# Altium PCB NUCLEO_144.PcbDoc (part 1 of 4) (continued)
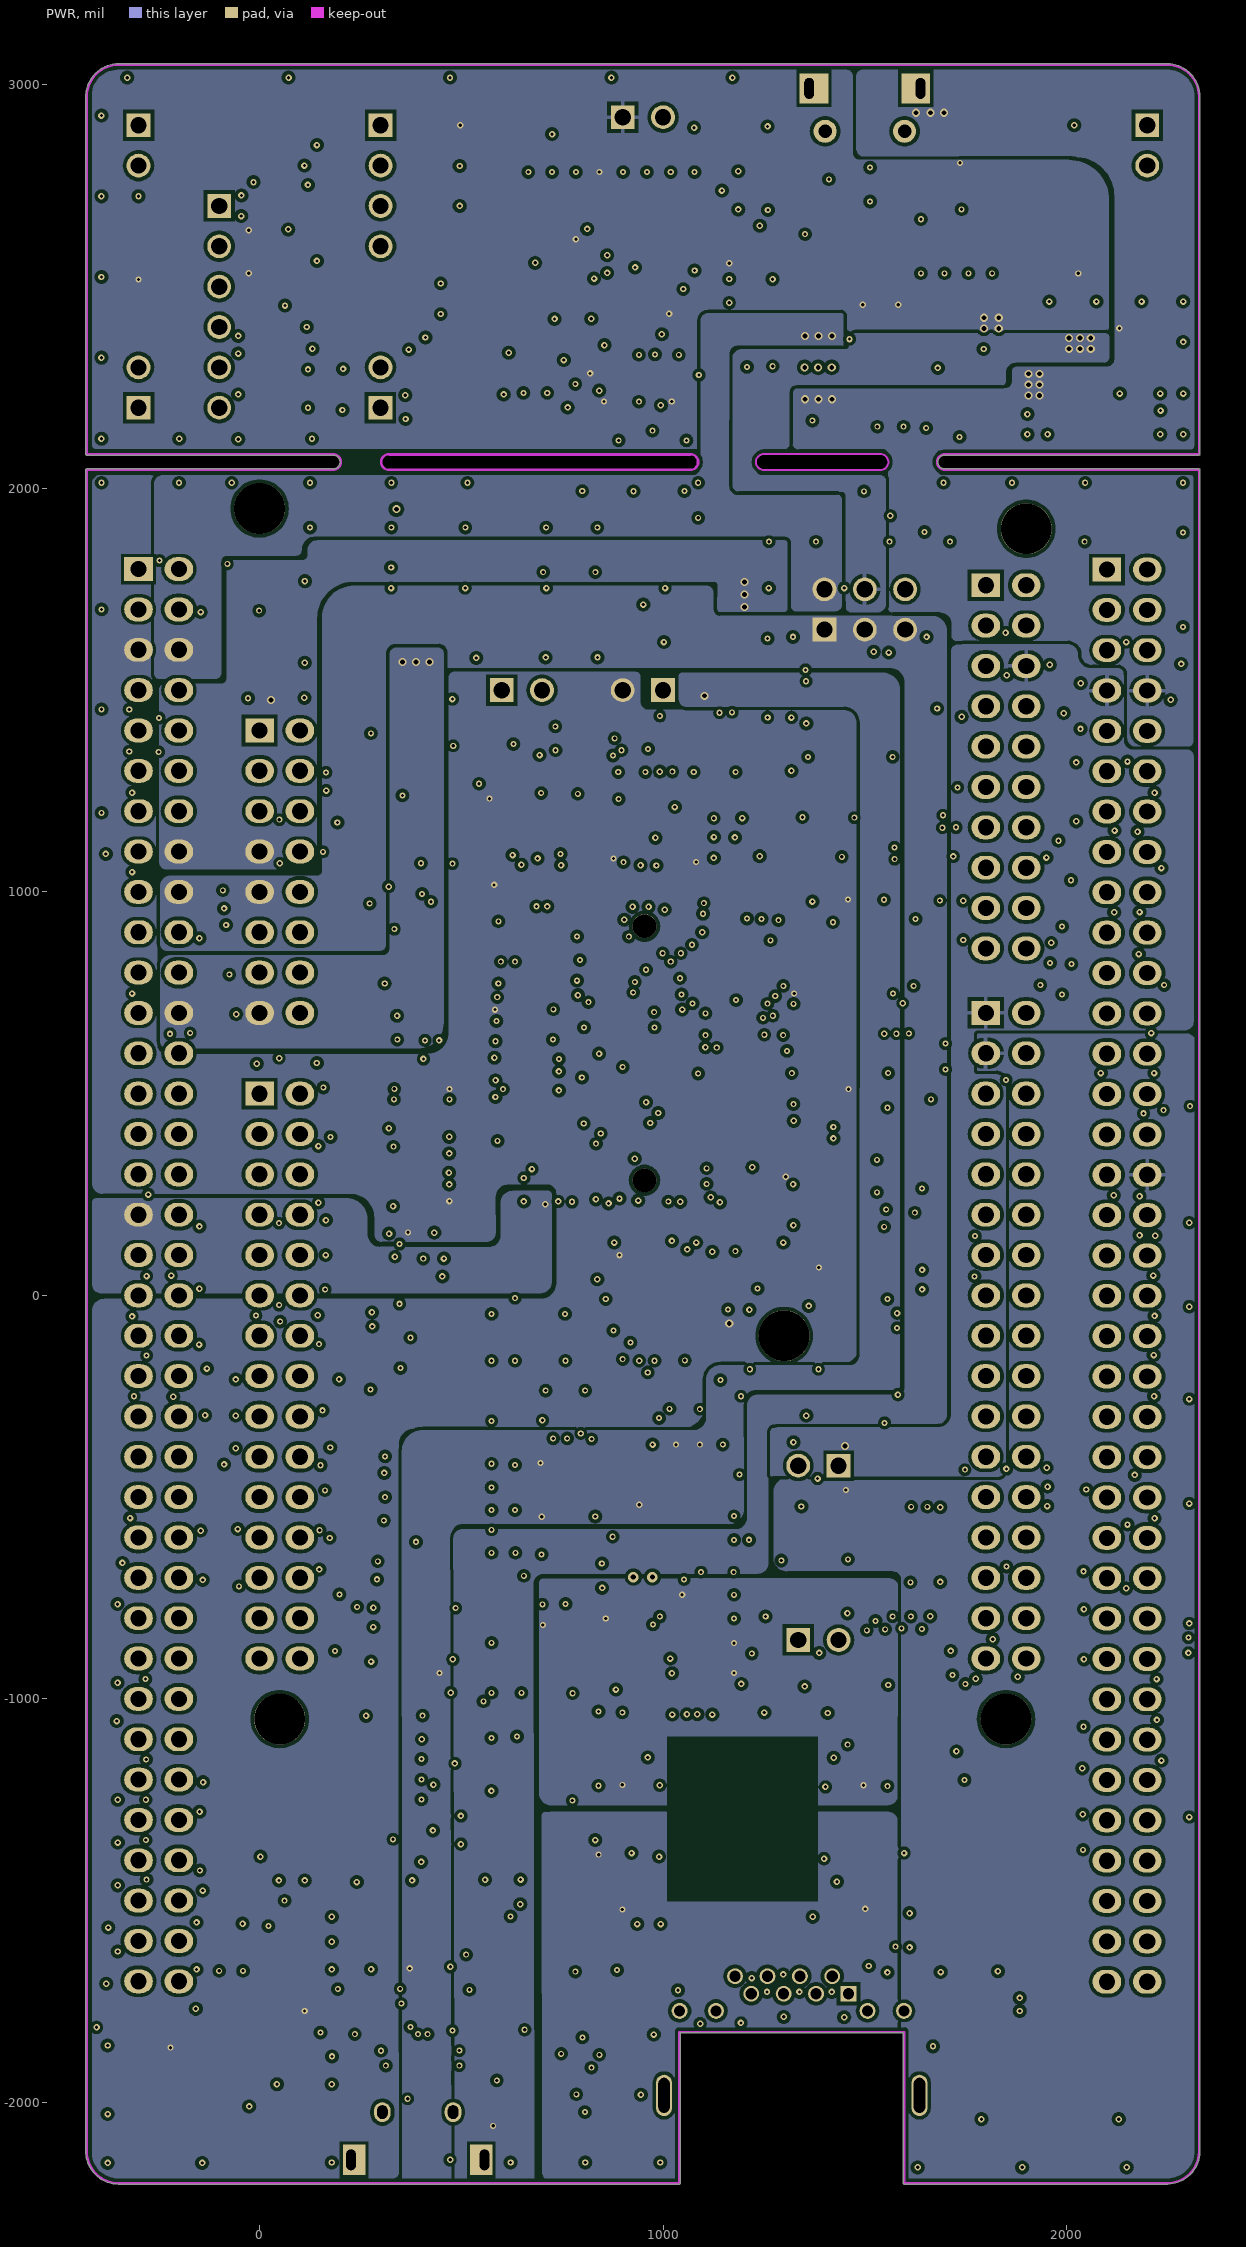
[diagram p4: PWR]
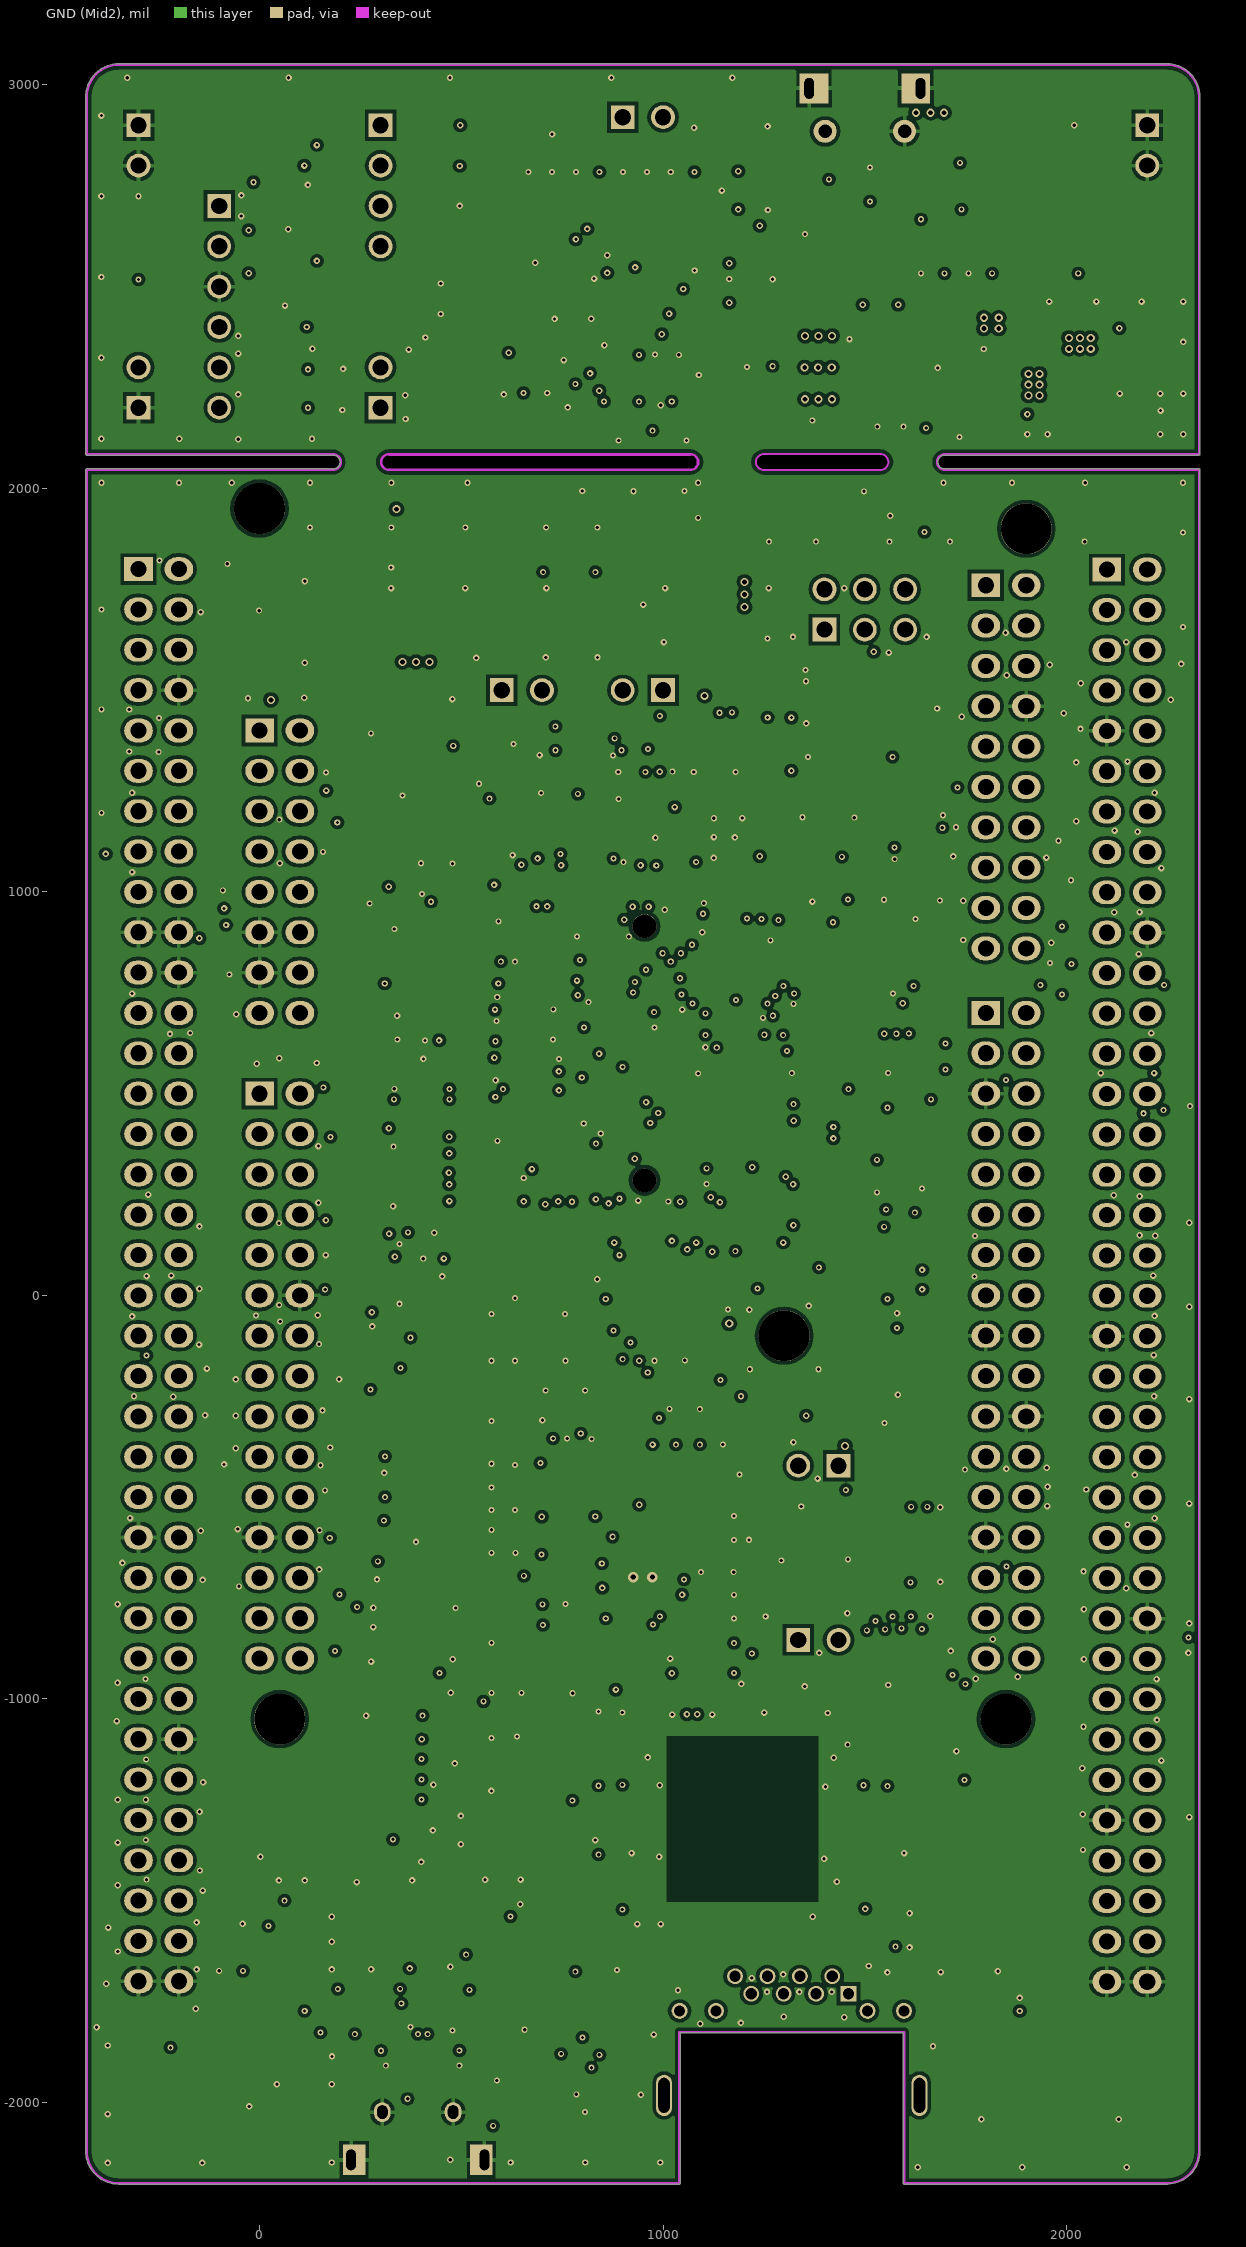
[diagram p5: GND (Mid2)]

## Layer stack, top to bottom
Top Solder: solder mask 0.4, Solder Resist, Dk 3.5
Top Layer: signal copper 1.4
Dielectric1: core 15.748, FR-4, Dk 4.8
GND: signal copper 1.4
Dielectric2: prepreg 9.4488, FR-4, Dk 4.8
Signal: signal copper 1.4
Dielectric4: core 12.6, FR-4, Dk 4.8
PWR: signal copper 1.4
Dielectric5: prepreg 12.6, FR-4, Dk 4.8
GND (Mid2): signal copper 1.4
Dielectric3: core 15.748, FR-4, Dk 4.8
Bottom Layer: signal copper 1.4
Bottom Solder: solder mask 0.4, Solder Resist, Dk 3.5

## Board outline
-430.47,-2121.26 ccw(c-349.21,-2121.26) -349.85,-2202.51 ccw(c-349.37,-2200.04) -349.37,-2202.56 1040,-2202.56 ccw(c1040,-2200.04) 1042.52,-2200.04 1042.52,-1827.67 1595.49,-1827.67 1595.49,-2200.02 ccw(c1598,-2200.04) 1598,-2202.56 2249.06,-2202.56 ccw(c2249.06,-2200.04) 2250.06,-2202.35 ccw(c2249.06,-2121.1) 2330.31,-2122.14 ccw(c2327.95,-2121.26) 2330.47,-2121.26 2330.47,2045.67 ccw(c2327.95,2045.67) 2327.95,2048.18 1698.03,2048.18 cw(c1698.03,2045.67) 1698.05,2048.18 1698.03,2048.18 cw(c1698.03,2065.35) 1698.03,2082.52 2327.93,2082.52 ccw(c2327.95,2085.04) 2330.47,2085.04 2330.47,2970.87 ccw(c2327.95,2970.87) 2330.47,2970.89 cw(c2249.21,2970.87) 2330.47,2970.87 2330.47,2970.89 ccw(c2249.21,2970.87) 2249.24,3052.12 ccw(c2249.21,2970.87) 2249.21,3052.12 cw(c2249.21,3049.61) 2249.24,3052.12 2249.21,3052.12 -349.21,3052.12 ccw(c-349.21,3049.61) -349.24,3052.12 cw(c-349.21,2970.87) -349.21,3052.12 -349.24,3052.12 ccw(c-349.21,2970.87) -430.47,2970.87 -430.47,2085.04 ccw(c-427.95,2085.04) -427.95,2082.52 182.28,2082.52 cw(c182.28,2085.04) 182.26,2082.52 182.28,2082.52 cw(c182.28,2065.35) 199.45,2065.35 cw(c182.28,2065.35) 182.28,2048.18 -427.95,2048.18 ccw(c-427.95,2045.67) -430.47,2045.67
cut-out: 320.08,2048.18 320.1,2048.18 569.42,2048.18 1068.11,2048.18 cw(c1068.11,2045.67) 1068.13,2048.18 ccw(c1068.11,2065.35) 1085.28,2065.35 ccw(c1068.11,2065.35) 1068.11,2082.52 cw(c1068.11,2085.04) 1068.08,2082.52 1068.11,2082.52 569.42,2082.52 1068.08,2082.52 569.42,2082.52 320.08,2082.52 ccw(c320.08,2085.04) 320.1,2082.52 320.08,2082.52 569.42,2082.52 320.08,2082.52 ccw(c320.08,2065.35)
cut-out: 1250,2045.67 cw(c1250,2065.35) 1250,2085.04 1538.58,2085.04 cw(c1538.58,2065.35) 1538.58,2045.67

## Design rules (kind name [scope] priority, off if disabled: settings)
Clearance "U9 PWR TRACK" [(ObjectKind = 'Track') vs (ObjectKind = 'Pad') And (Component = 'U9')] p1: gap=8 ignorepadtopadclearanceinfootprint=FALSE except(0: Arc-Hole Track-Hole SMDPad-Hole THPad-Hole Via-Hole Fill-Hole Poly-Hole Region-Hole Text-Hole)
Clearance "U8 PWR TRACK" [(ObjectKind = 'Track') vs (ObjectKind = 'Pad') And (Component = 'U8')] p2: gap=8 ignorepadtopadclearanceinfootprint=FALSE except(0: Arc-Hole Track-Hole SMDPad-Hole THPad-Hole Via-Hole Fill-Hole Poly-Hole Region-Hole Text-Hole)
Clearance SB [(HasFootprint('SB_0603')) or (HasFootprint('JP2_SMD'))] p3: gap=5 ignorepadtopadclearanceinfootprint=FALSE except(0: Arc-Hole Track-Hole SMDPad-Hole THPad-Hole Via-Hole Fill-Hole Poly-Hole Region-Hole Text-Hole)
Clearance CN1_PAD [(ObjectKind = 'Pad') And (Component = 'CN1') vs (ObjectKind = 'Pad') And (Component = 'CN1')] p4: gap=8 ignorepadtopadclearanceinfootprint=FALSE except(0: Arc-Hole Track-Hole SMDPad-Hole THPad-Hole Via-Hole Fill-Hole Poly-Hole Region-Hole Text-Hole)
Clearance U6_PAD [(ObjectKind = 'Pad') And (Component = 'D6') vs (ObjectKind = 'Pad') And (Component = 'D6')] p5: gap=8 ignorepadtopadclearanceinfootprint=FALSE except(0: Arc-Hole Track-Hole SMDPad-Hole THPad-Hole Via-Hole Fill-Hole Poly-Hole Region-Hole Text-Hole)
Clearance CN13_PAD [(ObjectKind = 'Pad') And (Component = 'CN13') vs (ObjectKind = 'Pad') And (Component = 'CN13')] p6: gap=7 ignorepadtopadclearanceinfootprint=FALSE except(0: Arc-Hole Track-Hole SMDPad-Hole THPad-Hole Via-Hole Fill-Hole Poly-Hole Region-Hole Text-Hole)
Clearance U9_PAD [(ObjectKind = 'Pad') And (Component = 'U9') vs (ObjectKind = 'Pad') And (Component = 'U9')] p7: gap=8 ignorepadtopadclearanceinfootprint=FALSE except(0: Arc-Hole Track-Hole SMDPad-Hole THPad-Hole Via-Hole Fill-Hole Poly-Hole Region-Hole Text-Hole)
Clearance U8_PAD [(ObjectKind = 'Pad') And (Component = 'U8') vs (ObjectKind = 'Pad') And (Component = 'U8')] p8: gap=7.8 ignorepadtopadclearanceinfootprint=FALSE except(0: Arc-Hole Track-Hole SMDPad-Hole THPad-Hole Via-Hole Fill-Hole Poly-Hole Region-Hole Text-Hole)
Clearance Polygon [(ObjectKind = 'Poly')] p9: gap=10 ignorepadtopadclearanceinfootprint=FALSE except(0: Arc-Hole Track-Hole SMDPad-Hole THPad-Hole Via-Hole Fill-Hole Poly-Hole Region-Hole Text-Hole)
Clearance [All] p10: gap=8.9 ignorepadtopadclearanceinfootprint=FALSE except(0: Arc-Hole Track-Hole SMDPad-Hole THPad-Hole Via-Hole Fill-Hole Poly-Hole Region-Hole Text-Hole)
DiffPairsRouting [All] p1: maxlimit=10 minlimit=8.9 mostfreqgap=8.9 toplayer_minwidth=15 toplayer_maxwidth=15 toplayer_prefwidth=15 midlayer1_minwidth=15 midlayer1_maxwidth=15 midlayer1_prefwidth=15 midlayer2_minwidth=15 midlayer2_maxwidth=15 midlayer2_prefwidth=15 midlayer3_minwidth=15 midlayer3_maxwidth=15 midlayer3_prefwidth=15 midlayer4_minwidth=15 midlayer4_maxwidth=15 midlayer4_prefwidth=15 bottomlayer_minwidth=15 bottomlayer_maxwidth=15 bottomlayer_prefwidth=15 maxuncoupledlength=500
FabricationTestPointUsage TestPointUsage [All] p1: valid=0 allowmultiple=FALSE
FabricationTestpoint Testpoint [(IsPad And (OnTopLayer Or OnBottomLayer))] p1: side=3 testpointundercomponent=TRUE minsize=40 maxsize=100 preferedsize=60 minholesize=0 maxholesize=40 preferedholesize=32 testpointgrid=1 allowsidetop=TRUE allowsidebottom=TRUE usegrid=TRUE gridtolerance=0.01
HoleSize [All] p1: absolutevalues=TRUE maxlimit=150 minlimit=1 maxpercent=80.000 minpercent=20.000
MatchedLengths "Schematic Matched Net Lengths_3" [InNet('TD_P')] p1: tolerance=100 checknetsindiffpair=TRUE checkdiffpairvsdiffpair=FALSE checkxsignals=FALSE checkothers=FALSE
MatchedLengths "Schematic Matched Net Lengths_2" [InNet('TD_N')] p2: tolerance=100 checknetsindiffpair=TRUE checkdiffpairvsdiffpair=FALSE checkxsignals=FALSE checkothers=FALSE
MatchedLengths "Schematic Matched Net Lengths_1" [InNet('RD_P')] p3: tolerance=100 checknetsindiffpair=TRUE checkdiffpairvsdiffpair=FALSE checkxsignals=FALSE checkothers=FALSE
MatchedLengths "Schematic Matched Net Lengths" [InNet('RD_N')] p4: tolerance=100 checknetsindiffpair=TRUE checkdiffpairvsdiffpair=FALSE checkxsignals=FALSE checkothers=FALSE
MinimumSolderMaskSliver [All] p1: minsoldermaskwidth=0.5
PolygonConnect VBAT [(ObjectKind = 'Poly') And (Net = 'VBAT')] p1: connectstyle=Direct reliefconductorwidth=10 reliefentries=4 polygonreliefangle="90 Angle" airgapwidth=10
PolygonConnect VDD [(ObjectKind = 'Poly') And (Net = 'VDD')] p2: connectstyle=Direct reliefconductorwidth=10 reliefentries=4 polygonreliefangle="90 Angle" airgapwidth=10
PolygonConnect VIN [(ObjectKind = 'Poly') And (Net = 'VIN')] p3: connectstyle=Direct reliefconductorwidth=10 reliefentries=4 polygonreliefangle="90 Angle" airgapwidth=10
PolygonConnect +3V3 [(ObjectKind = 'Poly') And (Net = '+3V3')] p4: connectstyle=Direct reliefconductorwidth=10 reliefentries=4 polygonreliefangle="90 Angle" airgapwidth=10
PolygonConnect E5V [(ObjectKind = 'Poly') And (Net = 'E5V')] p5: connectstyle=Direct reliefconductorwidth=10 reliefentries=4 polygonreliefangle="90 Angle" airgapwidth=10
PolygonConnect +5V [(ObjectKind = 'Poly') And (Net = '+5V')] p6: connectstyle=Direct reliefconductorwidth=10 reliefentries=4 polygonreliefangle="90 Angle" airgapwidth=10
PolygonConnect U5V [(ObjectKind = 'Poly') And (Net = 'NetC17_2')] p7: connectstyle=Direct reliefconductorwidth=10 reliefentries=4 polygonreliefangle="90 Angle" airgapwidth=10
PolygonConnect VIA [IsVia] p8: connectstyle=Direct reliefconductorwidth=20 reliefentries=4 polygonreliefangle="90 Angle" airgapwidth=10
PolygonConnect [All] p9: connectstyle=Relief reliefconductorwidth=10 reliefentries=4 polygonreliefangle="90 Angle" airgapwidth=10
RoutingLayers [All] p1: top layer_v5=FALSE mid layer 1_v5=FALSE mid layer 2_v5=FALSE mid layer 3_v5=FALSE mid layer 4_v5=FALSE bottom layer_v5=FALSE
RoutingVias [All] p1: holewidth=12 width=20 viastyle="Through Hole" minholewidth=8 minwidth=15 maxholewidth=28 maxwidth=50
SilkToSilkClearance [All] p1: silktosilkclearance=4
SilkToSolderMaskClearance SilkscreenOverComponentPads [IsPad] p1: minsilkscreentomaskgap=4 clearancetoexposedcopper=TRUE
SolderMaskExpansion [All] p1: expansion=4 istentingtop=FALSE
Width PWR [InNetClass('PWR')] p1: maxlimit=100 minlimit=8 preferedwidth=10 midlayer1_minwidth=10 midlayer2_minwidth=10 midlayer3_minwidth=10 midlayer4_minwidth=10 bottomlayer_minwidth=10 minimp=50.000000 maximp=50.000000 favimp=50.000000
Width [All] p2: maxlimit=100 minlimit=5 preferedwidth=5 minimp=50.000000 maximp=50.000000 favimp=50.000000
22 further rules are at their usual default settings.

## Classes and differential pairs
component class U_USB: C54 CN13 D6 LD7 LD8 R61 R62 R63 R64 R68 R69 R70 R71 R72 R76 SB184 SB185 SB186 SB187 T2 U12
component class U_Ethernet: C40 C41 C42 C43 C44 C45 C46 C47 C48 C49 C50 C51 CN14 L2 R39 R40 R41 R42 R43 R44 R45 R46 R47 R48 R49 R50 R51 R52 R53 R54 R55 R56 R57 R65 R66 R67 SB16 SB17 SB177 U9 U10 U11 X4
component class U_MCU_144: B1 B2 C21 C24 C25 C26 C27 C28 C29 C30 C31 C32 C33 C34 C35 C36 C37 C38 C39 C52 C53 C55 C56 C57 C58 JP4 JP6 JP7 L1 LD2 LD3 R30 R31 R35 R36 R37 R38 R58 R59 R60 R73 SB5 SB6 SB8 SB9 SB12 SB13 SB118 SB123 SB124 SB125 SB127 SB129 SB132 SB133 SB139 SB142 SB149 SB152 SB153 SB154 SB155 SB156 SB160 SB161 SB162 SB164 SB166 SB173 SB178 SB180 SB181 SB182 SB183 TP1 U8 X2 X3
component class MB1137: C11 C16 C17 C18 C19 C20 C22 C23 JP3 JP5 LD5 LD6 R21 R27 R28 R29 SB1 SB2 SB3 U4 U5 U6
net class PH[0..2]: PH0 PH1 PH2
net class PG[0..15]: PG0 PG1 PG2 PG3 PG4 PG5 PG6 PG7 PG8 PG9 PG10 PG11 PG12 PG13 PG14 PG15
net class PF[0..15]: PF0 PF1 PF2 PF3 PF4 PF5 PF6 PF7 PF8 PF9 PF10 PF11 PF12 PF13 PF14 PF15
net class PE[0..15]: PE0 PE1 PE2 PE3 PE4 PE5 PE6 PE7 PE8 PE9 PE10 PE11 PE12 PE13 PE14 PE15
net class PD[0..15]: PD0 PD1 PD2 PD3 PD4 PD5 PD6 PD7 PD8 PD9 PD10 PD11 PD12 PD13 PD14 PD15
net class PA[0..15]: PA0 PA1 PA2 PA3 PA4 PA5 PA6 PA7 PA8 PA9 PA10 PA11 PA12 PA13 PA14 PA15
net class PB[0..15]: PB0 PB1 PB2 PB3 PB4 PB5 PB6 PB7 PB8 PB9 PB10 PB11 PB12 PB13 PB14 PB15
net class PC[0..15]: PC0 PC1 PC2 PC3 PC4 PC5 PC6 PC7 PC8 PC9 PC10 PC11 PC12 PC13 PC14 PC15
component class U_ST_LINK_V2-1: C1 C2 C3 C4 C5 C6 C7 C8 C9 C10 C12 C13 C14 C15 CN1 CN2 CN3 CN4 CN5 CN6 D1 D2 D3 D4 D5 JP1 JP2 LD4 R1 R2 R3 R4 R5 R6 R7 R8 R9 R10 R11 R12 R13 R14 R15 R16 R17 R18 R19 R20 R22 R23 R24 R25 R26 SB101 SB102 SB103 SB104 SB105 SB106 SB107 SB108 SB109 SB110 SB111 SB112 T1 U1 U2 U3 X1
component class U_Connectors: CN7 CN8 CN9 CN10 CN11 CN12 LD1 R32 R33 R34 SB4 SB7 SB10 SB11 SB14 SB15 SB113 SB114 SB115 SB116 SB117 SB119 SB120 SB121 SB122 SB126 SB128 SB130 SB131 SB134 SB135 SB136 SB137 SB138 SB140 SB141 SB143 SB144 SB145 SB146 SB147 SB148 SB150 SB151 SB157 SB158 SB159 SB163 SB165 SB167 SB168 SB169 SB170 SB171 SB172 SB174 SB175 SB176 SB179 U7
differential pair TD: +TD_P -TD_N
differential pair RD: +RD_P -RD_N
differential pair NewDifferentialPair1: +NetCN13_3 -NetCN12_2
differential pair NewDifferentialPair2: +NetCN13_2 -NetCN13_3

## Components (designator, comment, footprint, x,y, rotation, side; value= is the part's Value field where it differs from the comment)
B1 "USER (Blue)" PB-6X6mm-Blue -122,-1953 r180 top
B2 "TD-0341 [RESET/Black]" PB-6X6mm-Black 2029,-1953 r180 top
C1 "100nF" 0603C 784,2716 r270 top
C2 "100nF" 0603C 901,2716 r270 top
C3 "100nF" 0603C 1240,2558 r180 top
C4 "100nF" 0603C 1639,2601 r90 top
C5 "10pF" 0603C 517,2508 r180 top
C6 "10pF" 0603C 517,2432 r180 top
C7 "20pF[N/A]" 0603C 1240,2361 r180 top
C8 "100nF" 0603C 1696,2377 r90 top locked
C9 "1uF_X5R_0603" 0603C 1755,2377 r270 top
C10 "100nF" 0603C 1438,2168 r0 top
C11 "100nF" 0603C 2162,2193 r180 top
C12 "100nF" 0603C 890,2184 r90 top
C13 "100nF" 0603C 1058,2184 r90 top
C14 "1uF_X5R_0603" 0603C 1537,2221 r90 top
C15 "10nF_X7R_0603" 0603C 1596,2221 r90 top
C16 "4.7uF" TAN-A 1735,2219 r90 top
C17 "10uF(25V)" TAN-B 173,1651 r0 top
C18 "10uF" TAN-A 848,1712 r180 top
C19 "100nF" 0603C 1259,1519 r270 top
C20 "1uF_X5R_0603" 0603C 1318,1519 r90 top
C21 "4.7uF_X5R_0603" 0603C 1023,1366 r270 top
C22 "100nF" 0603C 1396,1366 r90 top
C23 "1uF_X5R_0603" 0603C 1455,1366 r270 top
C24 "100nF" 0603C 573,1151 r90 top
C25 "100nF" 0603C 891,1151 r90 top
C26 "100nF" 0603C 1082,1140 r90 top
C27 "100nF" 0603C 1491,945 r0 top
C28 "100nF" 0603C 407,708 r180 top
C29 "100nF" 0603C 1491,748 r0 top
C30 "100nF" 0603C 402,512 r180 top
C31 "100nF" 0603C 1491,551 r0 top
C32 "100nF" 0603C 1491,295 r0 top
C33 "100nF" 0603C 402,252 r180 top
C34 "100nF" 0603C 1208,65 r180 top
C35 "2pF" 0603C 709,-168 r270 top
C36 "2pF" 0603C 807,-168 r270 top
C37 "4.3pF[N/A]" 0603C 1016,-213 r270 top
C38 "4.3pF[N/A]" 0603C 1091,-214 r270 top
C39 "100nF" 0603C 1324,-297.4 r270 top
C40 "100nF" 0603C 914,-447 r270 top
C41 "1uF_X5R_0603" 0603C 1108,-547 r0 top
C42 "470pF" 0603C 1108,-606 r180 top
C43 "30pF" 0603C 1466,-582 r0 top
C44 "100nF" 0603C 1108,-742 r180 top
C45 "30pF" 0603C 1466,-732 r0 top
C46 "10uF" TAN-A 599,-785 r0 top
C47 "100nF" 0603C 790,-801 r0 top
C48 "100nF" 0603C 671,-861 r0 top
C49 "100nF" 0603C 899,-1145 r270 top
C50 "100nF" 0603C 1497,-1145 r270 top
C51 "TC1206KKX7RDBB102" 1206C 834,-1306 r0 top
C52 "[N/A]" 0603C 18,-1742 r270 top
C53 "100nF" 0603C 1830,-1742 r270 top
C54 "4.7uF" TAN-A 703,-2024 r180 top
C55 "2.2uF_X7R" TAN-A 425,1185 r270 bottom
C56 "2.2uF_X7R" TAN-A 1523,932 r180 bottom
C57 "1uF_X5R_0603" 0603C 779.7,78 r0 bottom
C58 "100nF" 0603C 916,37 r270 bottom
CN1 "1050170001" Molex_1050170001 1500,2885 r180 top locked
CN2 "" HDR_1x2_2R54_V_M -300,2900 r270 top locked
CN3 "" HDR_1x2_2R54_V_M 2200,2900 r270 top locked
CN4 "Header 4" HDR_1x4_2R54_V_M 300,2900 r270 top locked
CN5 "" HDR_1x2_2R54_V_M_S 299.69,2200 r90 top locked
CN6 "Header 6X1" HDR_1x6_2R54_V_M -100,2700 r270 top locked
CN7 "Header 10X2_Female" HDR_10x2_2R54_V_F 1800,1760 r270 top locked
CN8 "Header 8X2_Female" HDR_8x2_2R54_V_F 0,1400 r270 top locked
CN9 "Header 15X2_Female" HDR_15x2_2R54_V_F 0,500 r270 top locked
CN10 "Header 17X2_Female" HDR_17x2_2R54_V_F 1800,700 r270 top locked
CN11 "Header 36X2" HDR_2x36_2R54_V_M -300,1800 r270 top locked
CN12 "Header 36X2" HDR_2x36_2R54_V_M 2100,1799 r270 top locked
CN13 "475900001" MOLEX_47590001 392,-2037 r0 top locked
CN14 "KRJ-CB4.2GYZNL" RJ45_KRJ-CB4.2GYZNL 1319,-1835 r0 top locked
D1 "BAT60JFILM" SOD-323 34,2830 r0 top
D2 "BAT60JFILM" SOD-323 1147,2738 r90 top
D3 "BAT60JFILM" SOD-323 1422,2408 r0 top
D4 "BAT60JFILM" SOD-323 1421,2330 r0 top
D5 "BAT60JFILM" SOD-323 1422,2251 r0 top
D6 "ESDA6V1BC6" SOT23-6L 404,-1909 r0 top
JP1 "" HDR_1x2_2R54_V_M_S 900,2920 r0 top locked
JP2 "" HDR_1x2_2R54_V_M_S -300,2200 r90 top locked
JP3 "Header 3X2" HDR_3x2_2R54_V_M 1400,1650 r0 top locked
JP4 "" HDR_1x2_2R54_V_M_S 600,1500 r0 top locked
JP5 "" HDR_1x2_2R54_V_M_S 1000,1500 r180 top
JP6 "" HDR_1x2_2R54_V_M_S 1435,-422 r180 top
JP7 "" HDR_1x2_2R54_V_M_S 1335,-854 r0 top
L1 "BEAD" 0603L 1382,-298 r90 top
L2 "BEAD" 0603L 672,-936 r0 top
LD1 "Green" 0603D-G 1004,1960 r270 top
LD2 "Blue" 0603D-B 879,1960 r270 top
LD3 "Red" 0603D-R 751,1960 r270 top
LD4 "LD_BICOLOR_CMS" HSMF-A201 1940,2841 r270 top
LD5 "Red" 0603D-R 2160,2294 r0 top
LD6 "Green" 0603D-G 1451.04,1959.33 r270 top
LD7 "Red" 0603D-R 242,-1750 r270 top
LD8 "Green" 0603D-G 719.01,-1740 r270 top
R1 "100[N/A]" 0603R 50,2759 r180 top
R2 "10K" 0603R 50,2700 r0 top
R3 "10K[N/A]" 0603R 666,2716 r270 top
R4 "10K" 0603R 725,2716 r270 top
R5 "100K" 0603R 842,2716 r90 top
R6 "100K" 0603R 960,2716 r270 top
R7 "4K7" 0603R 1019,2716 r90 top
R8 "2K7" 0603R 1078,2716 r270 top locked
R9 "1K5" 0603R 1411,2698 r90 top
R10 "22" 0603R 50,2600 r0 top
R11 "100K" 0603R 1352,2698 r270 top
R12 "10K" 0603R 1815.7,2601 r270 top
R13 "100" 0603R 1910,2601 r90 top
R14 "0" 0603R 2029,2601 r270 top
R15 "100" 0603R 1697.7,2601 r270 top
R16 "36K" 0603R 1756.7,2601 r90 top
R17 "100" 0603R 1969,2601 r90 top
R18 "[N/A]" 0603R -300,2450 r270 top
R19 "22" 0603R 50,2400 r0 top
R20 "100" 0603R 1240,2420 r0 top
R21 "1K" 0603R 2162,2360 r0 top
R22 "22" 0603R 50,2295 r0 top
R23 "22" 0603R 50,2200 r0 top
R24 "4K7" 0603R 713,2304.7 r90 top
R25 "4K7" 0603R 654,2304.7 r90 top
R26 "100" 0603R 1117,2184 r270 top
R27 "10K" 0603R 1655,2221 r270 top
R28 "2K7" 0603R 2162,2134 r180 top
R29 "1K" 0603R 1648,1962 r270 top
R30 "1K" 0603R 750.75,1823.97 r90 top